# Altium PCB BatteryBaseBoard.PcbDoc
Units mm, origin at the board's own origin, x right, y up, seen from the top; angles counter-clockwise.
Board outline 64 x 64 mm, 2 copper layers (Top Layer, Bottom Layer), stack 0.98 mm thick; 5 components, 4 nets, 32 pads, 40 vias.
Unrouted connection lines stored in the file: 2.
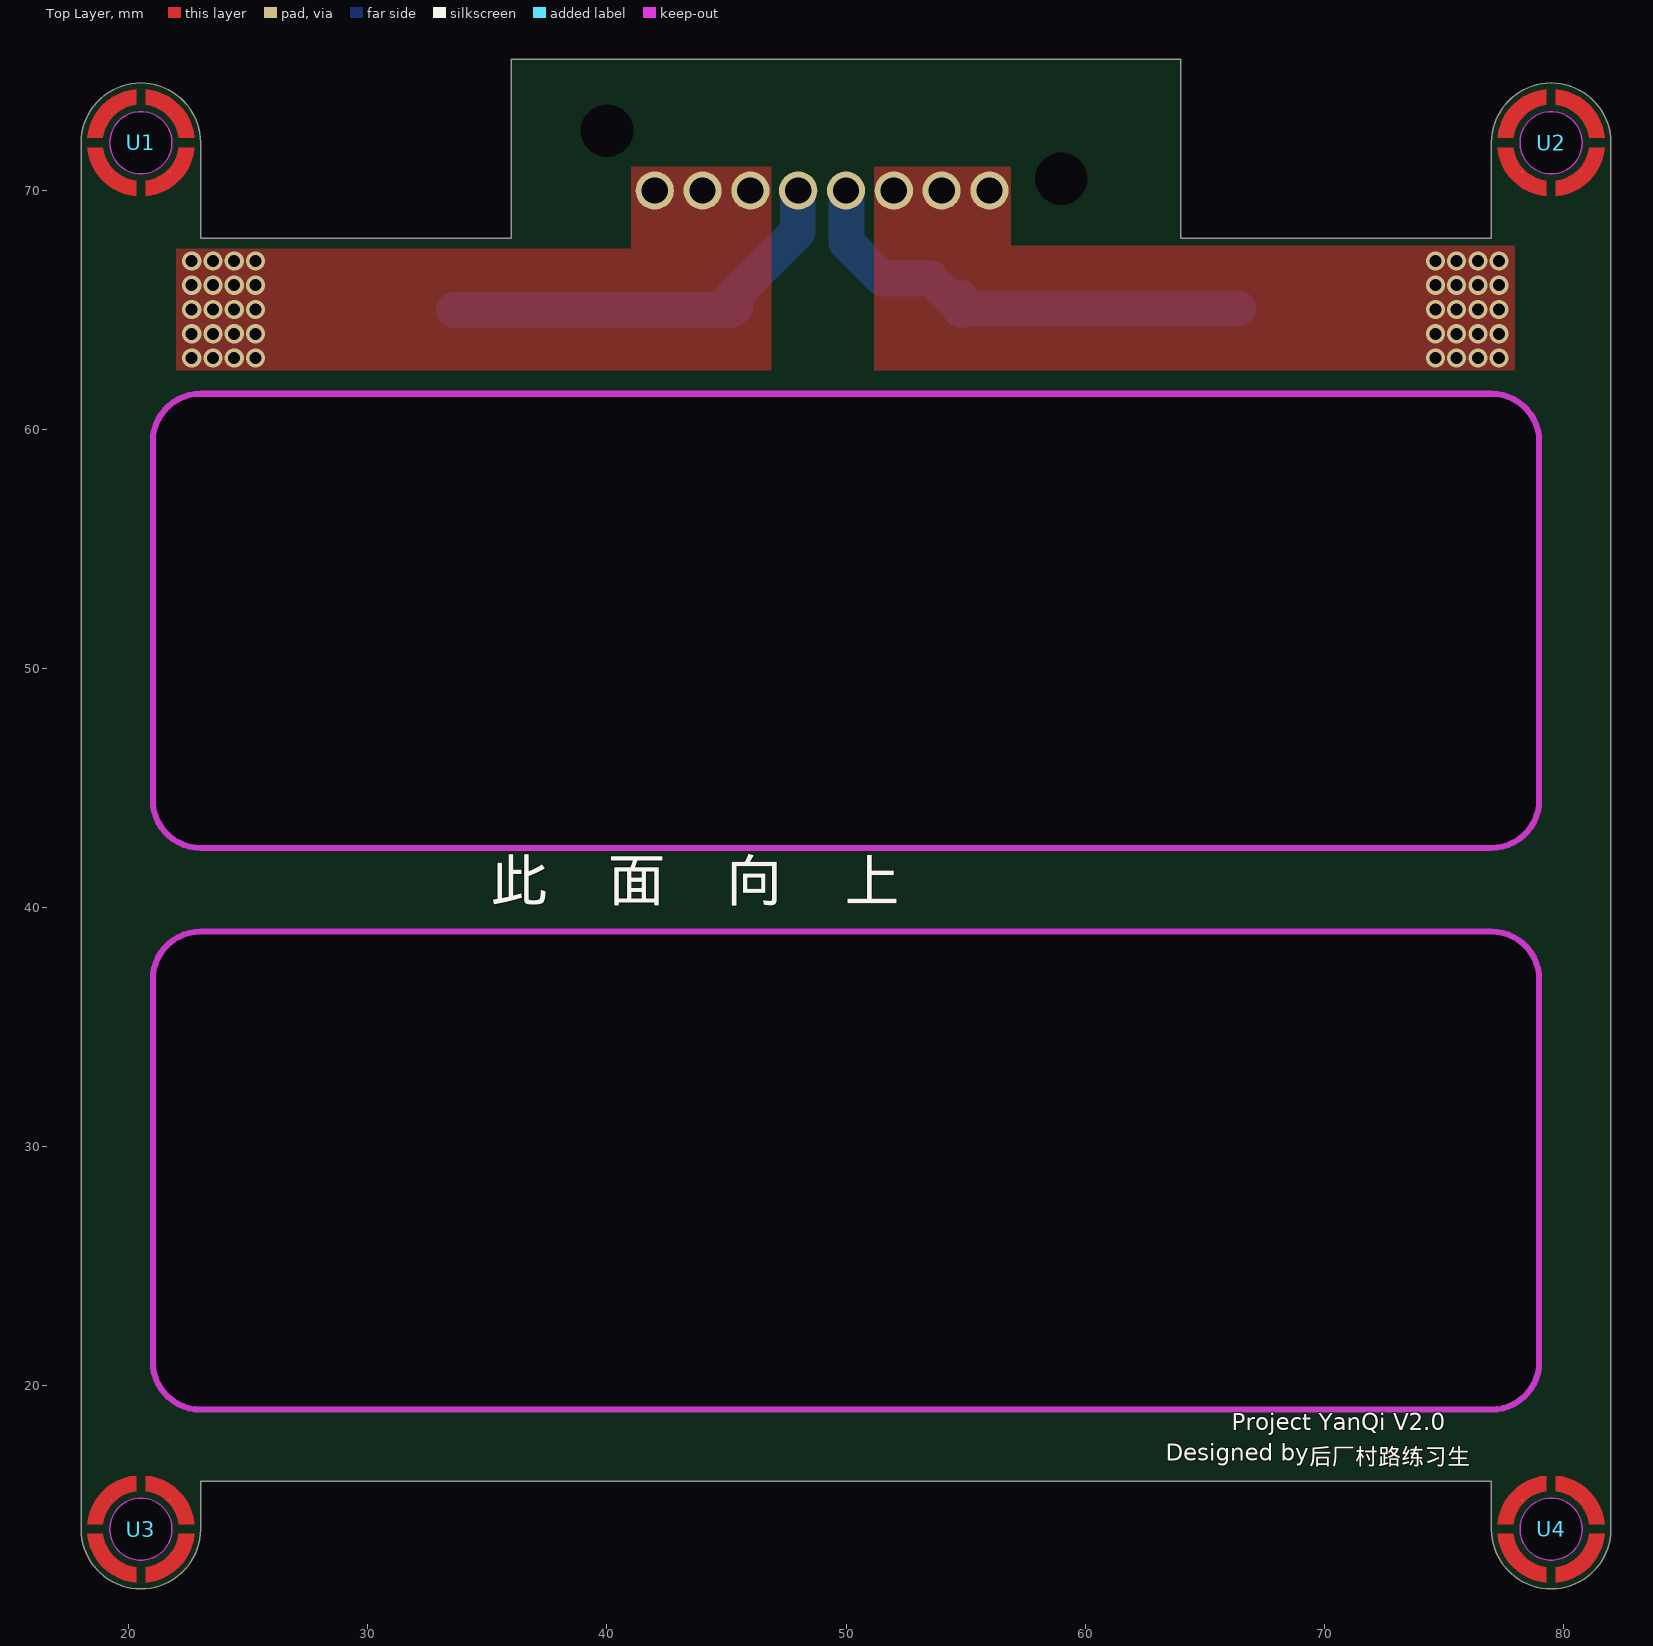
[diagram p0: Top Layer view]
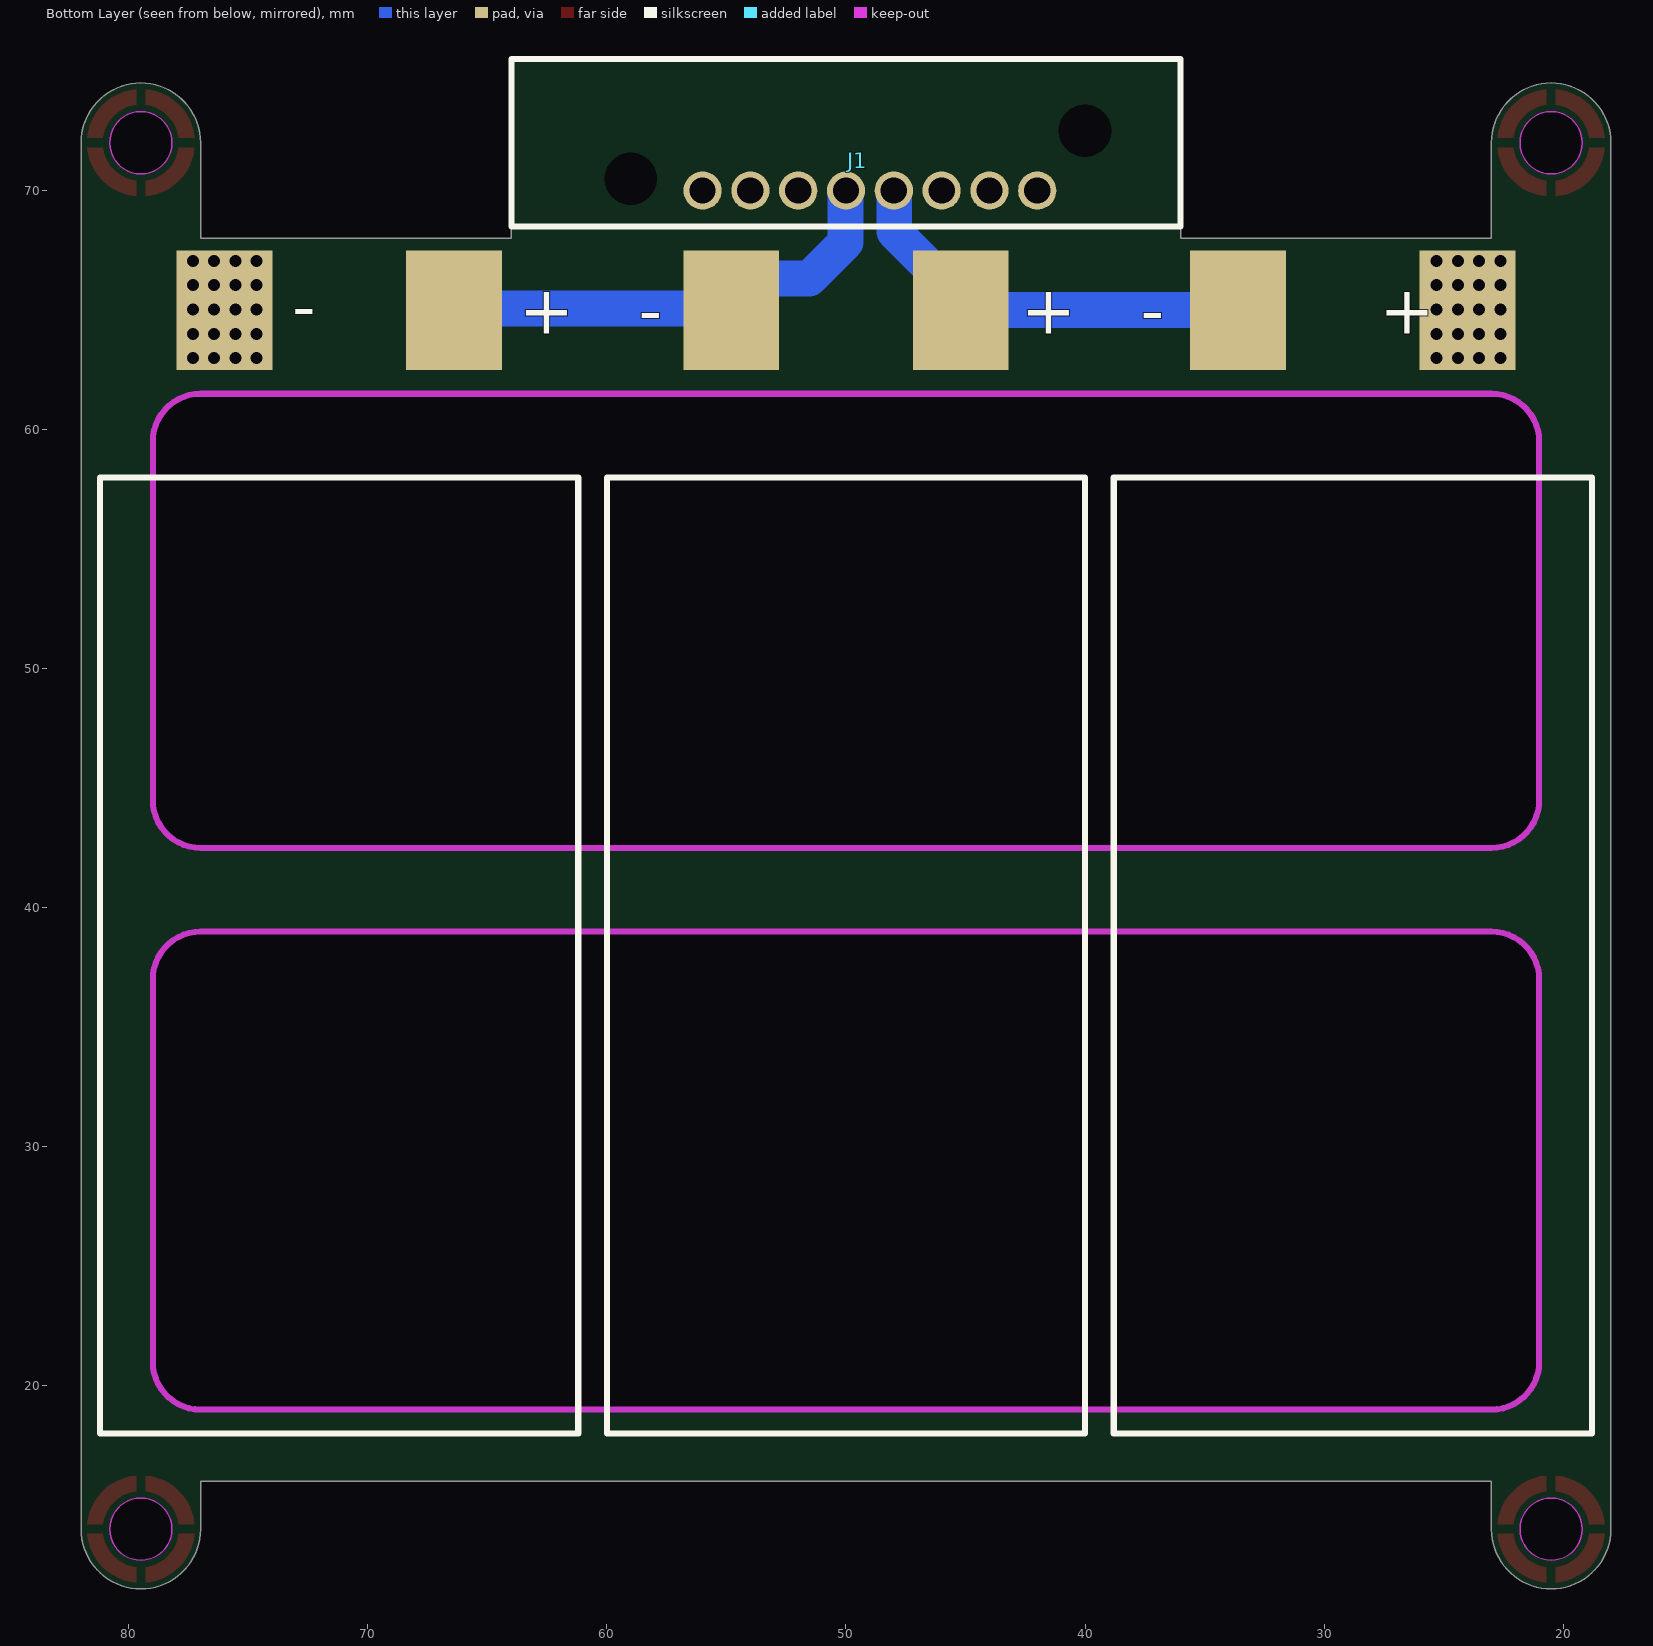
[diagram p1: Bottom Layer view, seen from below]
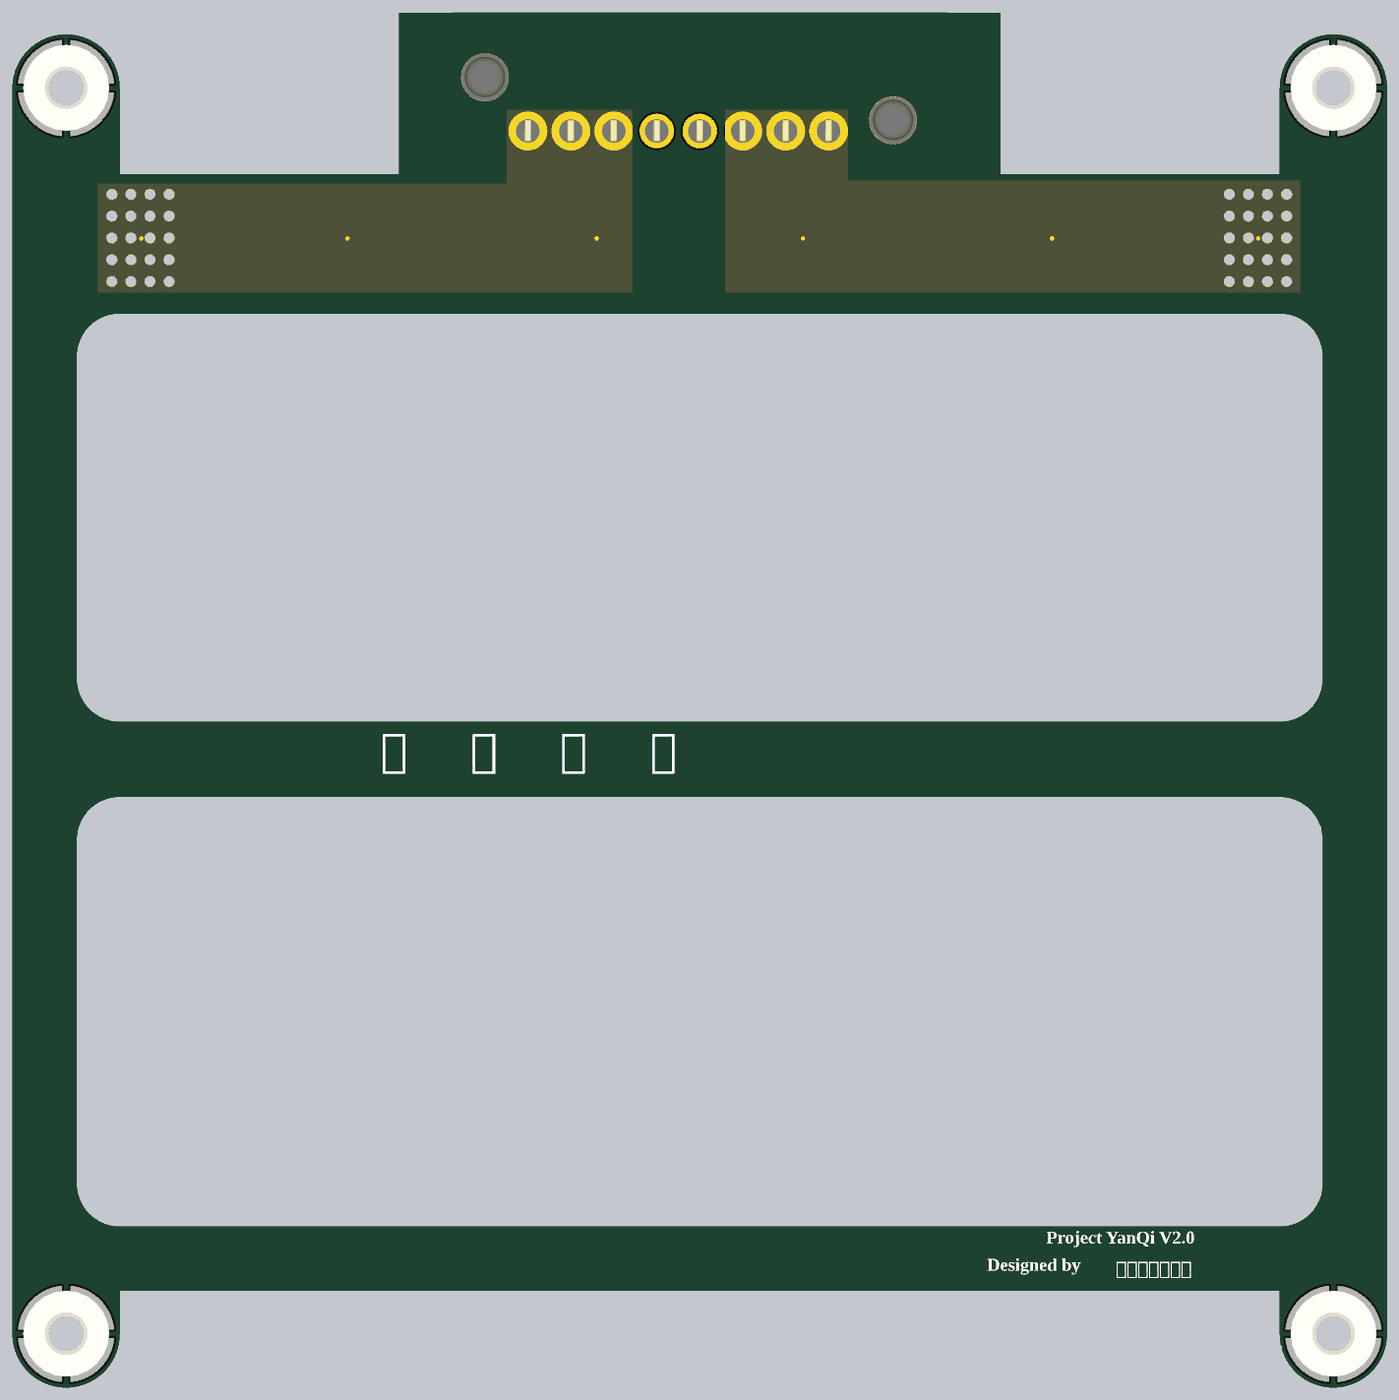
[diagram p2: 3D render of the assembled board from above, using the file's embedded part models]

## Layer stack, top to bottom
Top Solder: solder mask 0.01, Solder Resist, Dk 3.5
Top Layer: signal copper 0.035
Dielectric 1: dielectric 0.91, FR-4, Dk 4.8
Bottom Layer: signal copper 0.035
Bottom Solder: solder mask 0.01, Solder Resist, Dk 3.5

## Board outline
18,14 ccw(c20.5,14) 20.5,11.5 ccw(c20.5,14) 23,14 23,16 77,16 77,14 ccw(c79.5,14) 79.5,11.5 ccw(c79.5,14) 82,14 82,72 ccw(c79.5,72) 79.5,74.5 ccw(c79.5,72) 77,72 77,68 64,68 64,75.5 36,75.5 36,68 23,68 23,72 ccw(c20.5,72) 20.5,74.5 ccw(c20.5,72) 18,72
cut-out: 21,21 21,37 cw(c23,37) 23,39 77,39 cw(c77,37) 79,37 79,21 cw(c77,21) 77,19 23,19 cw(c23,21)
cut-out: 21,44.5 21,59.5 cw(c23,59.5) 23,61.5 77,61.5 cw(c77,59.5) 79,59.5 79,44.5 cw(c77,44.5) 77,42.5 23,42.5 cw(c23,44.5)

## Design rules (kind name [scope] priority, off if disabled: settings)
Clearance [All] p1: gap=0.254 ignorepadtopadclearanceinfootprint=FALSE except(0: Arc-Hole Track-Hole SMDPad-Hole THPad-Hole Via-Hole Fill-Hole Poly-Hole Region-Hole Text-Hole)
PolygonConnect [All] p1: connectstyle=Direct reliefconductorwidth=0.254 reliefentries=4 polygonreliefangle="90 Angle" airgapwidth=0.254
RoutingVias [All] p1: holewidth=0.711 width=1.27 viastyle="Through Hole" minholewidth=0.711 minwidth=1.27 maxholewidth=0.711 maxwidth=1.27
SolderMaskExpansion [All] p1: expansion=0.102 istentingtop=FALSE
Width [All] p1: maxlimit=5 minlimit=0.254 preferedwidth=0.254
30 further rules are at their usual default settings.

## Classes and differential pairs
component class BatteryBaseBoard: J1 U1 U2 U3

## Components (designator, comment, footprint, x,y, rotation, side; value= is the part's Value field where it differs from the comment)
J1 "BAT_8P_F" BAT_8P_F 50,70 r0 bottom
U1 "SMTSO2020CTJ" M2*4*1.5+2.5*1 20.5,72 r0 top
U2 "SMTSO2020CTJ" M2*4*1.5+2.5*1 79.5,72 r0 top
U3 "SMTSO2020CTJ" M2*4*1.5+2.5*1 20.5,14 r0 top
U4 "SMTSO2020CTJ" M2*4*1.5+2.5*1 79.5,14 r0 top

## Footprints (in the part's own frame and the unit in brackets; to place one, negate y for a bottom-side part, rotate by r counter-clockwise, add the part's x,y. Pads: shape width x height; smd on the part's side, far side on the other; paste and mask are expansions set on the pad)
BAT_8P_F [mm]
  round 1.6 hole 1.1: 1(6,0) 2(4,0) 3(2,0) 4(0,0) 5(-2,0) 6(-4,0) 7(-6,0) 8(-8,0)
  round 0 hole 2.2: 5(-10,-2.5) 5(9,-0.5)
  silkscreen extent -14,-5.5 14,1.5, body extent -14,-5.52 14,1.48, height 6.5
M2*4*1.5+2.5*1 [mil]
  round 1 smd: 1(-48.05,-48.05) 1(-48.05,48.05) 1(48.05,-48.05) 1(48.05,48.05)
  Top Layer region: -88.23,7.87 -75.37,46.55 -46.55,75.37 -7.87,88.23 -7.87,88.23 -7.87,62.5 -33.75,53.19 -53.19,33.75 -62.5,7.87 -62.5,7.87
  Top Layer region: 7.87,88.23 46.55,75.37 75.37,46.55 88.23,7.87 88.23,7.87 62.5,7.87 53.19,33.75 33.75,53.19 7.87,62.5 7.87,62.5
  Top Layer region: 88.23,-7.87 75.37,-46.55 46.55,-75.37 7.87,-88.23 7.87,-88.23 7.87,-62.5 33.75,-53.19 53.19,-33.75 62.5,-7.87 62.5,-7.87
  Top Layer region: -7.87,-88.23 -46.55,-75.37 -75.37,-46.55 -88.23,-7.87 -88.23,-7.87 -62.5,-7.87 -53.19,-33.75 -33.75,-53.19 -7.87,-62.5 -7.87,-62.5
  Keep-Out Layer board cut-out: 0,-51.18 -19.59,-47.29 -36.19,-36.19 -47.29,-19.59 -51.18,0 -51.18,0 -47.29,19.59 -36.19,36.19 -19.59,47.29 0,51.18 0,51.18 19.59,47.29 36.19,36.19 47.29,19.59 51.18,0 51.18,0 47.29,-19.59 36.19,-36.19 19.59,-47.29 0,-51.18
  Keep-Out Layer circle w1.97: c0,0 r51.18
  body extent -79,-78 78,79, height 59

## Part data
U1 U2 U3 U4: library part M2_NUT, JLCPCB Part Class="Extended Part", LCSC Part Name=雄和远景，电路板表贴圆螺母柱，M2X2，铜镀锡, Manufacturer=Sinhoo(雄和远景), Add into BOM=yes, Convert to PCB=yes, Datasheet=https://atta.szlcsc.com/upload/public/pdf/source/20211122/17CF5E24EB4D4DC090A80DE3D7DE5E21.pdf, Device=SMTSO2020CTJ, Manufacturer Part=SMTSO2020CTJ, Name=SMTSO2020CTJ, Supplier=LCSC, Supplier Footprint=-, Supplier Part=C2915626, Symbol=SMTSO2020CTJ

## Free pads (board coordinates)
  rect 0x0 / inner rect 0x0 / far side rect 4x5 all layers, no hole: 7(24,65) 7(33.6,65) 7(45.2,65) 7(54.8,65) 7(66.4,65) 7(76,65)

## Via types
v1: diameter 0.8, hole 0.5, Top Layer to Bottom Layer, tented top, 40 vias

## Nets (pads, with @x,y where several pads share a name; then routed paths per layer and width w, separated by ;. In a path a pad name is that pad's centre, name@x,y a point inside that pad or via, vN(x,y) a via of type N, cw(c..) or ccw(c..) an arc to the next point about the centre after c; other vN are vias at no path point)
B+: J1.5 pad.7@33.6,65 pad.7@45.2,65 | length 18
  Bottom Layer w1.5: pad.7@33.6,65 pad.7@45.2,65 ; pad.7@45.389,65.189 pad.7@45.2,65 ; J1.5@48,70 47.981,69.981 47.981,68.281 45.2,65.5 pad.7@45.2,65
B-: J1.4 pad.7@54.8,65 pad.7@66.4,65 | length 20.2
  Bottom Layer w1.5: J1.4 50.019,69.981 50.019,67.837 51.535,66.321 53.55,66.321 pad.7@54.8,65.071 ; pad.7@54.8,65 pad.7@54.8,65.068 ; pad.7@54.8,65.5 pad.7@54.8,65.071 ; pad.7@66.4,65.068 pad.7@54.8,65.068 ; pad.7@54.8,65.068 pad.7@54.8,65.071
BAT: J1.6 J1.7 J1.8 pad.7@24,65
  other v1: 22.628,62.992 23.517,62.992 24.406,62.992 25.295,62.992 22.628,64.008 23.517,64.008 24.406,64.008 25.295,64.008 22.628,65.024 23.517,65.024 24.406,65.024 25.295,65.024 22.628,66.04 23.517,66.04 24.406,66.04 25.295,66.04 22.628,67.056 23.517,67.056 24.406,67.056 25.295,67.056
BGND: J1.1 J1.2 J1.3 pad.7@76,65
  other v1: 74.654,62.992 75.543,62.992 76.432,62.992 77.321,62.992 74.654,64.008 75.543,64.008 76.432,64.008 77.321,64.008 74.654,65.024 75.543,65.024 76.432,65.024 77.321,65.024 74.654,66.04 75.543,66.04 76.432,66.04 77.321,66.04 74.654,67.056 75.543,67.056 76.432,67.056 77.321,67.056
pads on no net: U1.1 U2.1 U3.1 U4.1

## Polygon pours and split planes (outlines as drawn)
BGND on Top Layer "BGND_L01_P001" (solid, pour order 1): 51.181,70.993 51.181,62.484 77.978,62.484 77.978,67.691 56.896,67.691 56.896,70.993
BAT on Top Layer "BAT_L01_P000" (solid, pour order 0): 21.971,67.564 41.021,67.564 41.021,70.993 46.863,70.993 46.863,62.484 21.971,62.484

## Keep-outs
Keep-Out Layer:
  lines w0.254: 21,21 ccw(c23,21) 23,19 77,19 ccw(c77,21) 79,21 79,37 ccw(c77,37) 77,39 23,39 ccw(c23,37) 21,37 21,21 ; 21,44.5 ccw(c23,44.5) 23,42.5 77,42.5 ccw(c77,44.5) 79,44.5 79,59.5 ccw(c77,59.5) 77,61.5 23,61.5 ccw(c23,59.5) 21,59.5 21,44.5

## Silkscreen, mask and mechanical layers (free items; w line width, h text height)
Top Overlay:
  text "此    面    向    上" at 35.142,39.704 h3
  text "Project YanQi V2.0" at 66.135,17.912 h1.2
  text "Designed by" at 63.374,16.642 h1.2
  text "后厂村路练习生" at 69.377,16.457 h1.2
Bottom Overlay:
  lines w0.254: 18.8,18 38.8,18 38.8,58 18.8,58 18.8,18 ; 40,18 60,18 60,58 40,58 40,18 ; 61.2,18 81.2,18 81.2,58 61.2,58 61.2,18
  text "-" at 73.166,64.183 h2
  text "+" at 27.666,64 h2
  text "-" at 37.666,64 h2
  text "+" at 42.666,64 h2
  text "-" at 58.666,64 h2
  text "+" at 63.666,64 h2
Mechanical 1:
  lines w0.2: 18,14 ccw(c20.5,14) 20.5,11.5 ccw(c20.5,14) 23,14 23,16 77,16 77,14 ccw(c79.5,14) 79.5,11.5 ccw(c79.5,14) 82,14 82,72 ccw(c79.5,72) 79.5,74.5 ccw(c79.5,72) 77,72 77,68 64,68 64,75.5 36,75.5 36,68 23,68 23,72 ccw(c20.5,72) 20.5,74.5 ccw(c20.5,72) 18,72 18,14
  lines w0.254: 21,21 ccw(c23,21) 23,19 77,19 ccw(c77,21) 79,21 79,37 ccw(c77,37) 77,39 23,39 ccw(c23,37) 21,37 21,21 ; 21,44.5 ccw(c23,44.5) 23,42.5 77,42.5 ccw(c77,44.5) 79,44.5 79,59.5 ccw(c77,59.5) 77,61.5 23,61.5 ccw(c23,59.5) 21,59.5 21,44.5